# Altium PCB UmTRXv21.PcbDoc (part 9 of 19)
Units mm, origin at the board's own origin, x right, y up, seen from the top; angles counter-clockwise.
Board outline 159.5 x 99.5 mm, 6 copper layers (Top Layer, GND, MidLayer1, Mid-Layer 2, InternalPlane2, Bottom Layer), stack 1.526 mm thick; 716 components, 578 nets, 2850 pads, 1402 vias.
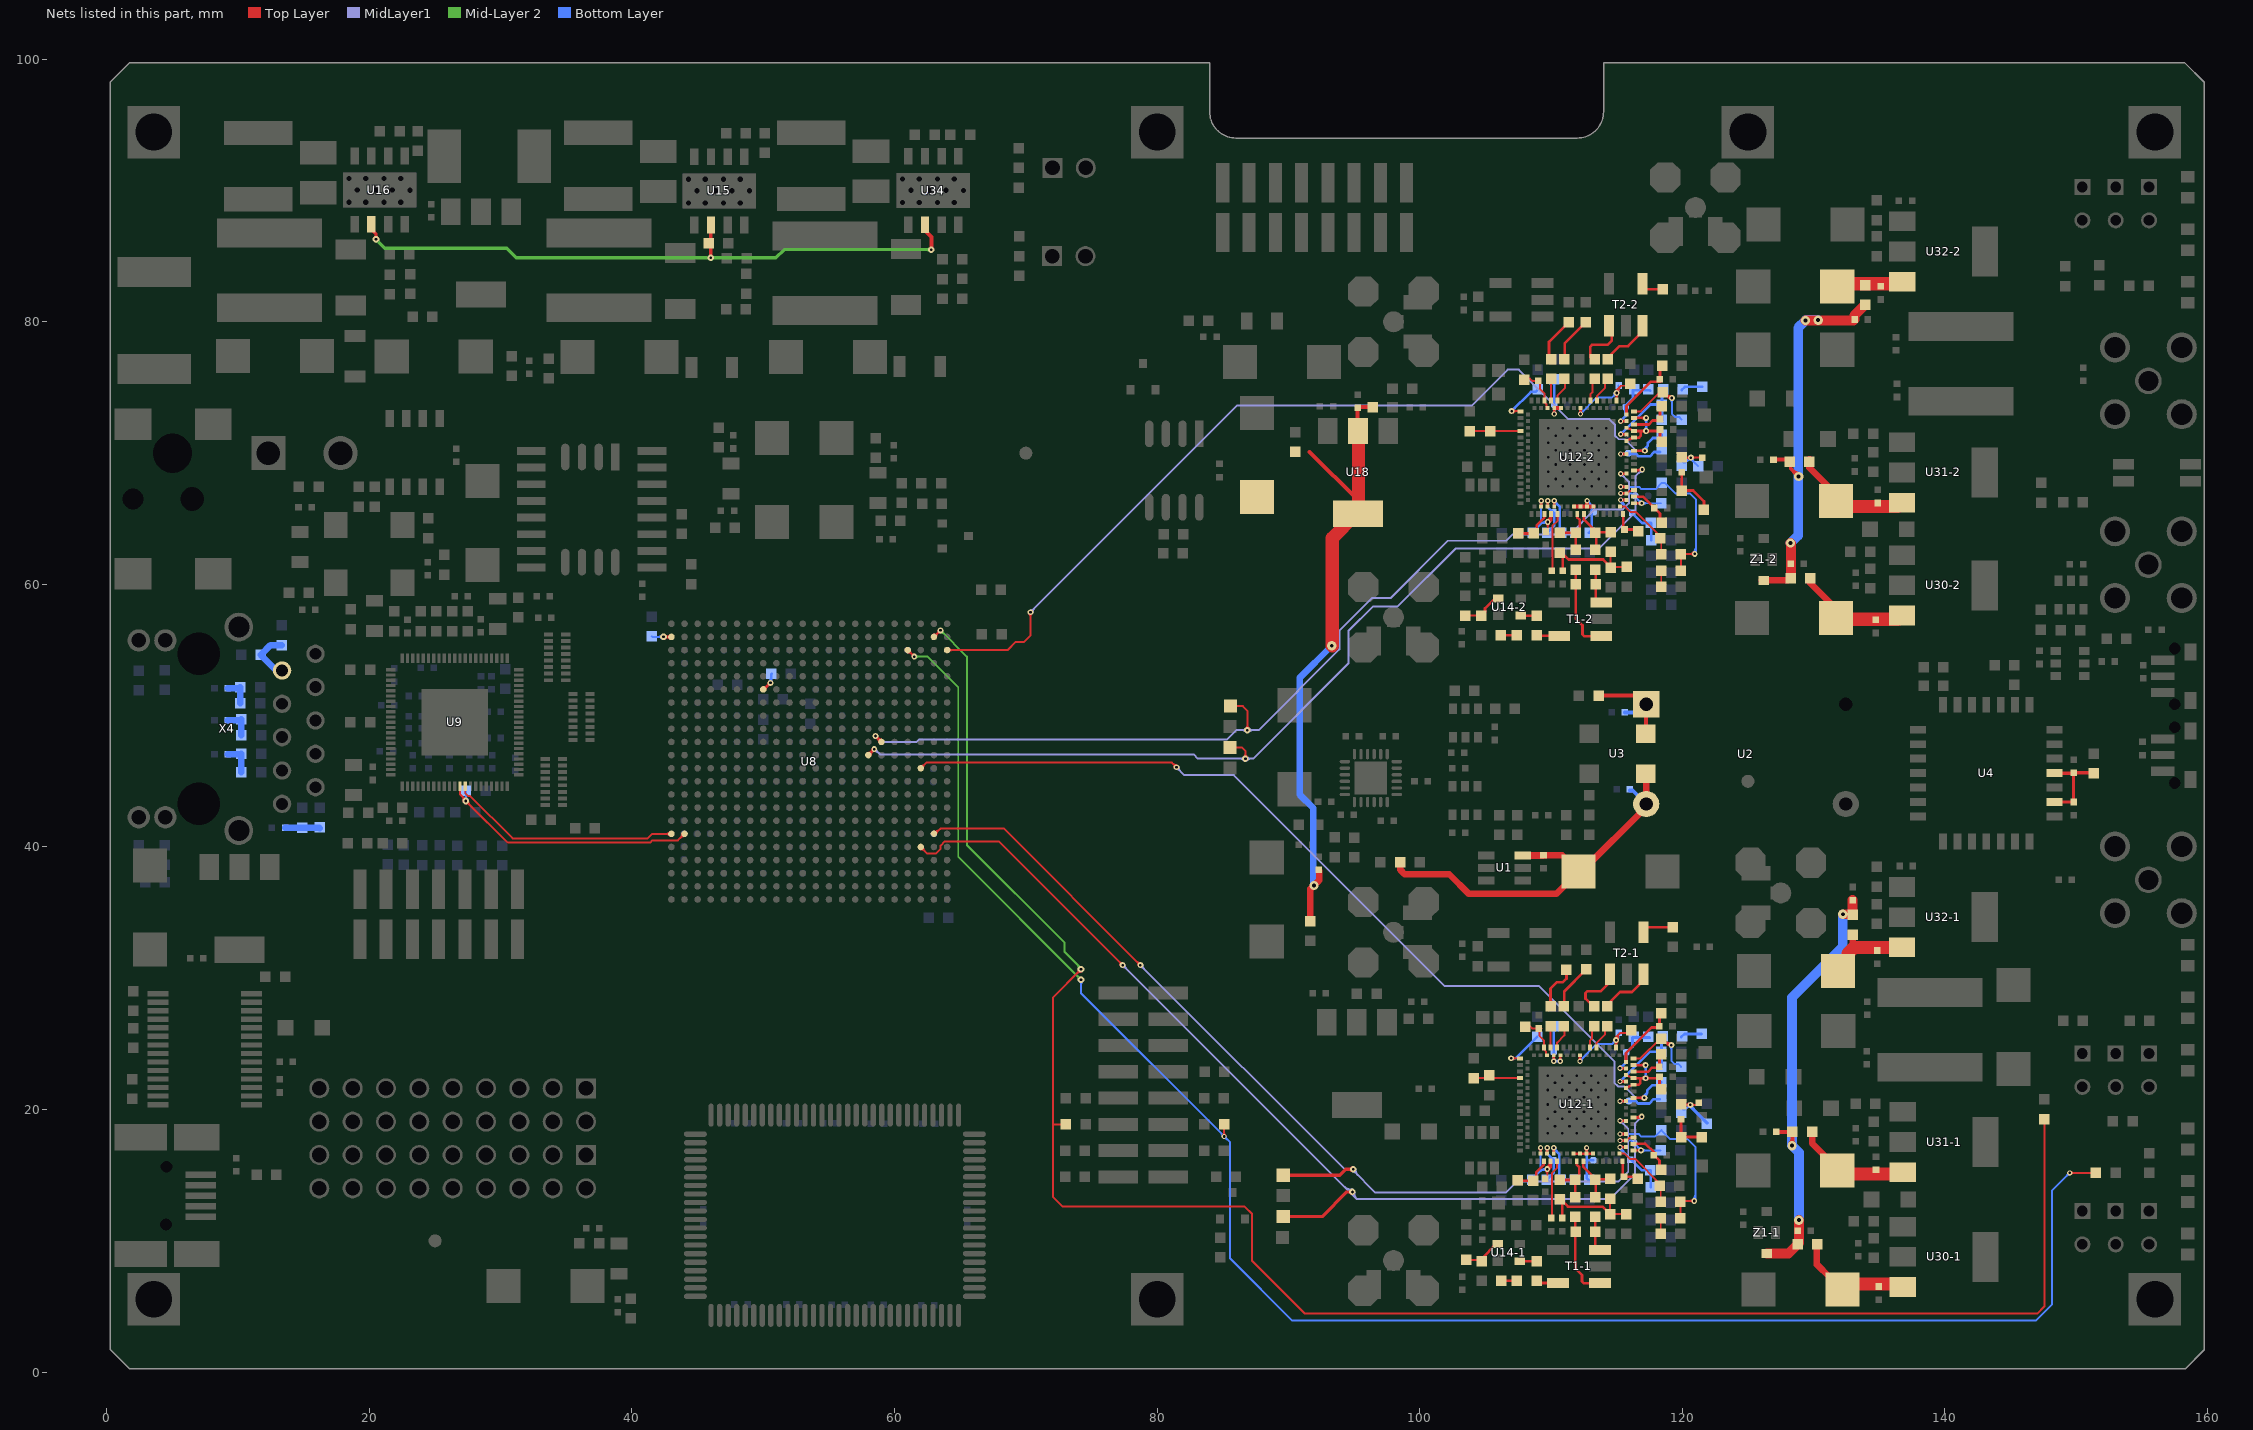
[diagram p13: the nets of this part, all layers, seen from the top]

## Via types
v1: diameter 0.45, hole 0.2, Top Layer to Bottom Layer, tented both sides, 440 vias
v2: diameter 0.5, hole 0.2, Top Layer to Bottom Layer, tented both sides, 423 vias
v3: diameter 0.7, hole 0.3, Top Layer to Bottom Layer, tented both sides, 257 vias
v4: diameter 0.4, hole 0.2, Top Layer to Bottom Layer, tented both sides, 197 vias
v5: diameter 0.8, hole 0.3, Top Layer to Bottom Layer, tented both sides, 63 vias
v6: diameter 0.6, hole 0.25, Top Layer to Bottom Layer, tented both sides, 16 vias
v7: diameter 0.6, hole 0.3, Top Layer to Bottom Layer, tented both sides, 4 vias
v8: diameter 1, hole 0.5, Top Layer to Bottom Layer, tented both sides, 2 vias

## Nets (pads, with @x,y where several pads share a name; then routed paths per layer and width w, separated by ;. In a path a pad name is that pad's centre, name@x,y a point inside that pad or via, vN(x,y) a via of type N, cw(c..) or ccw(c..) an arc to the next point about the centre after c; other vN are vias at no path point) (continued)
LEDS4: R37.2 R85.2 U8.Y4 | length 141.2
  Top Layer w0.15: U8.Y4@61,54.825 cw(c61,54.403) 61.299,54.701 cw(c61.597,55) U8.Y4@61.175,55 ; U8.Y4@61,55 v1(61.5,54.5) ; v1@61.35,54.5 ccw(c60.988,54.5) 61.244,54.756 ccw(c61.5,55.012) v1@61.5,54.65 ; v4@85.012,18.038 ccw(c84.798,18.252) 85.1,18.252 ccw(c85.402,18.252) v4@85.188,18.038 ; v4(85.1,17.95) R85.2@85.1,18.875 ; v4(149.5,15.175) R37.2@151.5,15.175 ; v4@149.588,15.087 cw(c149.802,14.873) 149.802,15.175 cw(c149.802,15.477) v4@149.588,15.263
  Mid-Layer 2 w0.15: v1(61.5,54.5) 62.525,54.5 64.85,52.175 64.85,39.25 v2(74.2,29.9) ; v1@61.606,54.394 cw(c61.862,54.138) 61.862,54.5 cw(c61.862,54.862) v1@61.606,54.606 ; v2@74.025,29.9 ccw(c73.603,29.9) 73.901,30.199 ccw(c74.2,30.497) v2@74.2,30.075
  Bottom Layer w0.15: v2@74.076,29.776 cw(c73.778,29.478) 74.2,29.478 cw(c74.622,29.478) v2@74.324,29.776 ; v2(74.2,29.9) 74.2,28.85 v4(85.1,17.95) 85.55,17.5 85.55,8.655 90.28,3.925 146.93,3.925 148.15,5.145 148.15,13.825 v4(149.5,15.175) ; v4@84.975,17.95 ccw(c84.673,17.95) 84.887,18.163 ccw(c85.1,18.377) v4@85.1,18.075 ; v4@85.1,17.825 cw(c85.1,17.523) 85.313,17.737 cw(c85.527,17.95) v4@85.225,17.95 ; v4@149.375,15.175 cw(c149.073,15.175) 149.287,14.962 cw(c149.5,14.748) v4@149.5,15.05
LEDS5: R38.2 R86.2 U8.AA2 | length 149.1
  Top Layer w0.15: U8.AA2@63,56 63.4,56.4 63.4,56.45 63.45,56.5 v1(63.5,56.5) ; U8.AA2@63,56.175 ccw(c63,56.597) 63.299,56.299 ccw(c63.597,56) U8.AA2@63.175,56 ; v1@63.35,56.5 cw(c62.988,56.5) 63.244,56.244 cw(c63.5,55.988) v1@63.5,56.35 ; R86.2@73.05,18.875 72.05,18.875 ; v2@74.025,30.675 cw(c73.603,30.675) 73.901,30.376 cw(c74.2,30.078) v2@74.2,30.5 ; v2(74.2,30.675) 72.05,28.525 72.05,18.875 ; R38.2@147.575,19.275 147.575,5 147.039,4.464 91.261,4.464 87.225,8.5 87.225,12.047 86.672,12.6 72.825,12.6 72.05,13.375 72.05,18.875
  Mid-Layer 2 w0.15: v1@63.5,56.35 cw(c63.5,55.988) 63.756,56.244 cw(c64.012,56.5) v1@63.65,56.5 ; v1(63.5,56.5) 65.5,54.5 65.5,40.15 72.95,32.7 72.95,32 74.2,30.75 v2(74.2,30.675) ; 73.848,31.102 cw(c73.421,30.675) v2@74.025,30.675 ; 74.029,30.921 ccw(c74.2,31.091) v2@74.2,30.85
LMS1_NRST: R95-1.1 U8.L3 U12-1.75 | length 72.9
  Top Layer w0.15: U8.L3@62,46 62.425,46.425 81.125,46.425 v1(81.475,46.075) ; U8.L3@62,46.175 ccw(c62,46.597) 62.299,46.299 ccw(c62.597,46) U8.L3@62.175,46 ; v1@81.325,46.075 ccw(c80.963,46.075) 81.219,46.331 ccw(c81.475,46.587) v1@81.475,46.225
  Top Layer w0.2: U12-1.75@116.282,20.888 v1(117.107,20.888) ; v1@117.019,20.8 ccw(c116.805,20.586) 116.805,20.888 ccw(c116.805,21.19) v1@117.019,20.976
  MidLayer1 w0.15: v1@81.475,45.925 cw(c81.475,45.563) 81.731,45.819 cw(c81.987,46.075) v1@81.625,46.075 ; v1(81.475,46.075) 82.075,45.475 85.845,45.475 101.92,29.4 109.1,29.4 114.832,23.668 114.832,22.033 115.102,21.763 115.582,21.763 116.457,20.888 v1(117.107,20.888) ; v1@117.001,20.782 ccw(c116.745,20.526) 116.745,20.888 ccw(c116.745,21.25) v1@117.001,20.994
  Bottom Layer w0.2: v1(117.107,20.888) 117.107,21.053 117.336,21.282 ; v1@117.229,20.915 cw(c117.617,21.001) 117.336,21.282 ; R95-1.1@118.407,22.088 118.177,21.858 117.711,21.858 117.336,21.483 117.336,21.282
LMS2_NRST: R95-2.1 U8.Y1 U12-2.75 | length 72.2
  Top Layer w0.15: U8.Y1@64,55 68.6,55 69.225,55.625 69.875,55.625 70.35,56.1 v1(70.35,57.875) ; U8.Y1@64.124,54.876 cw(c64.422,54.578) 64.422,55 cw(c64.422,55.422) U8.Y1@64.124,55.124 ; v1@70.244,57.769 cw(c69.988,57.513) 70.35,57.513 cw(c70.712,57.513) v1@70.456,57.769
  Top Layer w0.2: U12-2.75@116.321,70.18 v1(117.146,70.18) ; v1@117.058,70.091 ccw(c116.844,69.878) 116.844,70.18 ccw(c116.844,70.482) v1@117.058,70.268
  MidLayer1 w0.15: v1(70.35,57.875) 86.117,73.642 103.987,73.642 106.695,76.35 107.55,76.35 111.313,72.587 114.443,72.587 114.871,72.159 114.871,71.325 115.141,71.055 115.621,71.055 116.496,70.18 v1(117.146,70.18) ; v1@70.35,58.025 ccw(c70.35,58.387) 70.606,58.131 ccw(c70.862,57.875) v1@70.5,57.875 ; v1@117.04,70.074 ccw(c116.784,69.818) 116.784,70.18 ccw(c116.784,70.542) v1@117.04,70.286
  Bottom Layer w0.2: v1(117.146,70.18) 117.146,70.345 117.375,70.574 ; v1@117.268,70.207 cw(c117.656,70.293) 117.375,70.574 ; R95-2.1@118.446,71.38 118.216,71.15 117.75,71.15 117.375,70.775 117.375,70.574
M0: R31.1 U8.AA22 | length 4.3
  Top Layer w0.15: v2(42.4,56) U8.AA22@43,56 ; v2@42.524,55.876 cw(c42.822,55.578) 42.822,56 cw(c42.822,56.422) v2@42.524,56.124 ; U8.AA22@42.848,55.913 ccw(c42.62,55.782) 42.688,56.036 ccw(c42.728,56.185) U8.AA22@42.855,56.098 ; U8.AA22@42.848,56.087 cw(c42.62,56.218) 42.688,55.964 cw(c42.728,55.815) U8.AA22@42.855,55.902 ; U8.AA22@42.876,55.876 ccw(c42.578,55.578) 42.578,56 ccw(c42.578,56.422) U8.AA22@42.876,56.124
  Bottom Layer w0.15: R31.1@41.5,56.05 41.55,56 v2(42.4,56) ; v2@42.276,55.876 ccw(c41.978,55.578) 41.978,56 ccw(c41.978,56.422) v2@42.276,56.124
M1: R32.1 U8.U15 | length 2.9
  Top Layer w0.2: U8.U15@50,52 50.05,52 v1(50.55,52.5) ; U8.U15@50,52.15 ccw(c50,52.633) 50.341,52.291 ; U8.U15@50.15,52 cw(c50.391,52) 50.221,52.171 ; v1@50.425,52.5 cw(c50.123,52.5) 50.337,52.287 cw(c50.55,52.073) v1@50.55,52.375
  Bottom Layer w0.2: v1@50.462,52.588 ccw(c50.128,52.922) R32.1@50.6,52.922 ; v1(50.55,52.5) 50.6,52.5 50.6,53.15 R32.1@50.65,53.2
MDC: U8.F22 U9.55 | length 18.5
  Top Layer w0.15: U9.55@27.3,44.625 27.3,44.1 27.5,43.9 27.65,43.9 30.9,40.65 41.2,40.65 41.55,41 U8.F22@43,41 ; U8.F22@42.876,40.876 ccw(c42.578,40.578) 42.578,41 ccw(c42.578,41.422) U8.F22@42.876,41.124
MDIO: R92.2 U8.F21 U9.54 | length 23.1
  Top Layer w0.15: U9.54@26.9,44.625 26.9,44 27.55,43.35 v2@27.5,43.35 ; 27.016,43.884 cw(c26.632,43.5) v2@27.175,43.5 ; 27.137,43.763 ccw(c27.35,43.977) v2@27.35,43.675 ; v2@27.35,43.325 cw(c27.35,42.903) 27.649,43.201 cw(c27.947,43.5) v2@27.525,43.5 ; v2@27.45,43.4 v2@27.5,43.35 ; U8.F21@43.825,41 cw(c43.403,41) 43.701,40.701 cw(c44,40.403) U8.F21@44,40.825 ; U8.F21@44,41 43.5,40.5 41.55,40.5 41.375,40.325 30.525,40.325 v2@27.5,43.35
  Bottom Layer w0.15: v2@27.226,43.624 ccw(c26.928,43.922) 27.35,43.922 ccw(c27.772,43.922) v2@27.474,43.624 ; v2(27.35,43.5) R92.2@27.35,44.287
MISO1: TST12.1 U8.F2 U12-1.68 | length 79.7
  Top Layer w0.15: U8.F2@63,41 63.1,41 63.525,41.425 68.3,41.425 v1(78.725,31) ; U8.F2@63,41.175 ccw(c63,41.839) 63.469,41.369 ; U8.F2@63.175,41 cw(c63.356,41) 63.228,41.128 ; v1@78.575,31 ccw(c78.213,31) 78.469,31.256 ccw(c78.725,31.512) v1@78.725,31.15
  Top Layer w0.2: v4@115.282,19.138 U12-1.68@115.707,19.138 ; v4@115.328,19.067 cw(c115.498,18.897) 115.498,19.138 cw(c115.498,19.379) v4@115.328,19.209
  Top Layer w0.25: TST12.1@89.6,15 93.925,15 94.375,15.45 v2(94.925,15.45) ; v2@94.837,15.362 ccw(c94.623,15.148) 94.623,15.45 ccw(c94.623,15.752) v2@94.837,15.538
  MidLayer1 w0.15: v1@78.725,30.85 cw(c78.725,30.488) 78.981,30.744 cw(c79.237,31) v1@78.875,31 ; v1(78.725,31) 94.316,15.409 94.884,15.409 96.625,13.675 106.55,13.675 107.383,14.508 115.112,14.508 115.882,15.278 115.882,18.543 115.287,19.138 v4(115.257,19.138) ; 94.403,15.409 ccw(c94.403,15.972) v2@94.801,15.574 ; 94.602,15.409 cw(c94.602,15.127) v2@94.801,15.326 ; v2@94.925,15.275 cw(c94.926,15.052) 95.083,15.21 ; v2@95.1,15.45 ccw(c95.722,15.452) 95.283,15.011 ; v4@115.257,19.013 cw(c115.257,18.638) 115.522,18.903 ; v4@115.382,19.138 ccw(c115.611,19.138) 115.449,18.976
MISO2: TST16.1 U8.N6 U12-2.68 | length 78.8
  Top Layer w0.15: v1@58.55,48.3 cw(c58.55,47.938) 58.806,48.194 cw(c59.062,48.45) v1@58.7,48.45 ; v1(58.55,48.45) U8.N6@59,48 ; v1@58.608,48.308 cw(c58.387,47.925) U8.N6@58.826,47.979 ; v1@58.692,48.392 ccw(c59.075,48.613) U8.N6@59.021,48.174 ; 58.771,48.214 cw(c58.701,48.095) U8.N6@58.833,48.053 ; 58.786,48.229 ccw(c58.905,48.299) U8.N6@58.947,48.167 ; U8.N6@58.825,48 ccw(c58.403,48) 58.701,48.299 ccw(c59,48.597) U8.N6@59,48.175 ; TST16.1@85.6,50.725 86.525,50.725 86.875,50.375 v2(86.875,48.9) ; v2@86.751,49.024 ccw(c86.453,49.322) 86.875,49.322 ccw(c87.297,49.322) v2@86.999,49.024 ; 58.813,48.182 cw(c58.657,48.092) 58.831,48.045 ccw(c58.657,48.092) 58.813,48.182 ; 58.818,48.187 ccw(c58.908,48.343) 58.955,48.169 cw(c58.908,48.343) 58.818,48.187
  Top Layer w0.2: v4@115.321,68.43 U12-2.68@115.746,68.43 ; v4@115.367,68.359 cw(c115.537,68.188) 115.537,68.43 cw(c115.537,68.671) v4@115.367,68.501
  MidLayer1 w0.15: v1@58.55,48.3 cw(c58.55,47.938) 58.806,48.194 cw(c59.062,48.45) v1@58.7,48.45 ; v1(58.55,48.45) 59,48 61.686,48 61.886,48.2 85.325,48.2 86.025,48.9 v2(86.875,48.9) 87.721,48.9 93.875,55.054 93.875,56.475 96.35,58.95 97.771,58.95 102.146,63.325 106.575,63.325 107.048,63.798 107.279,63.798 107.281,63.8 107.819,63.8 107.821,63.798 111.423,63.798 113.342,65.717 115.467,65.717 115.921,66.171 115.921,67.835 115.326,68.43 v4(115.296,68.43) ; v2@86.751,48.776 ccw(c86.453,48.478) 86.453,48.9 ccw(c86.453,49.322) v2@86.751,49.024 ; v2@86.999,48.776 cw(c87.297,48.478) 87.297,48.9 cw(c87.297,49.322) v2@86.999,49.024 ; v4@115.296,68.305 cw(c115.296,67.93) 115.561,68.195 ; v4@115.421,68.43 ccw(c115.65,68.43) 115.488,68.268
MOSI1: TST11.1 U8.E3 U12-1.69 | length 84.1
  Top Layer w0.15: U8.E3@62,39.825 cw(c62,39.403) 62.299,39.701 cw(c62.597,40) U8.E3@62.175,40 ; U8.E3@62,40 62.5,39.5 63.15,39.5 63.5,39.85 63.5,40.101 63.824,40.425 67.95,40.425 v1(77.375,31) ; v1@77.225,31 ccw(c76.863,31) 77.119,31.256 ccw(c77.375,31.512) v1@77.375,31.15
  Top Layer w0.2: U12-1.69@116.282,19.388 116.931,19.388 116.961,19.358 116.961,19.408 v1(116.911,19.458) ; U12-1.69@116.44,19.388 ccw(c116.44,19.929) v1@116.823,19.547
  Top Layer w0.25: TST11.1@89.6,11.85 92.575,11.85 94.45,13.725 v2(94.875,13.725) ; v2@94.787,13.637 ccw(c94.573,13.423) 94.573,13.725 ccw(c94.573,14.027) v2@94.787,13.813
  MidLayer1 w0.15: v1@77.375,30.85 cw(c77.375,30.488) 77.631,30.744 cw(c77.887,31) v1@77.525,31 ; v1(77.375,31) 95.2,13.175 ; 94.192,14.183 ccw(c94.875,14.866) v2@94.875,13.9 ; 94.448,13.927 ccw(c94.875,14.354) v2@94.875,13.75 ; v2@94.899,13.72 ccw(c95.274,13.642) 95.004,13.371 ; v2@95.046,13.689 ccw(c95.599,13.574) 95.2,13.175 ; v1@116.761,19.458 cw(c116.399,19.458) 116.655,19.202 cw(c116.911,18.946) v1@116.911,19.308 ; v1(116.911,19.458) 116.384,18.932 116.384,15.074 114.486,13.175 95.2,13.175
MOSI2: TST15.1 U8.M7 U12-2.69 | length 80.8
  Top Layer w0.15: U8.M7@57.979,47.174 ccw(c57.925,47.613) v1@58.308,47.392 ; U8.M7@58,47 v1(58.45,47.45) ; U8.M7@58,47.175 ccw(c58,47.597) 58.299,47.299 ccw(c58.597,47) U8.M7@58.175,47 ; U8.M7@58.053,47.167 ccw(c58.095,47.299) 58.214,47.229 ; U8.M7@58.167,47.053 cw(c58.299,47.095) 58.229,47.214 ; U8.M7@58.174,46.979 cw(c58.613,46.925) v1@58.392,47.308 ; v1@58.3,47.45 cw(c57.938,47.45) 58.194,47.194 cw(c58.45,46.938) v1@58.45,47.3 ; TST15.1@85.55,47.575 86.475,47.575 86.725,47.325 v2(86.725,46.725) ; v2@86.601,46.849 ccw(c86.303,47.147) 86.725,47.147 ccw(c87.147,47.147) v2@86.849,46.849 ; U8.M7@58.045,47.169 ccw(c58.092,47.343) 58.182,47.187 cw(c58.092,47.343) U8.M7@58.045,47.169 ; U8.M7@58.169,47.045 cw(c58.343,47.092) 58.187,47.182 ccw(c58.343,47.092) U8.M7@58.169,47.045
  Top Layer w0.2: U12-2.69@116.321,68.68 116.97,68.68 117,68.65 117,68.7 v1(116.95,68.75) ; U12-2.69@116.479,68.68 ccw(c116.479,69.221) v1@116.862,68.838
  MidLayer1 w0.15: v1@58.45,47.3 cw(c58.45,46.806) 58.799,47.155 ; v1(58.45,47.45) 58.505,47.45 58.905,47.05 82.775,47.05 83.1,46.725 v2(86.725,46.725) 87.304,46.725 94.575,53.996 94.575,56.454 96.446,58.325 98.325,58.325 102.725,62.725 113.638,62.725 116.423,65.51 116.423,68.223 v1(116.95,68.75) ; v1@58.6,47.45 ccw(c58.83,47.45) 58.667,47.287 ; v2@86.601,46.601 ccw(c86.303,46.303) 86.303,46.725 ccw(c86.303,47.147) v2@86.601,46.849 ; v2@86.849,46.601 cw(c87.147,46.303) 87.147,46.725 cw(c87.147,47.147) v2@86.849,46.849 ; v1@116.8,68.75 cw(c116.438,68.75) 116.694,68.494 cw(c116.95,68.238) v1@116.95,68.6
NetC4_1: C4.1 C139.1 C146.1 L1.1 R134.1 R158.2 U18.2 | length 51.4
  Top Layer w0.3: 91.6,70.1 95.325,66.375 96.375,65.325 U18.2@96.425,65.325 ; U18.2@95.275,72.2 C139.1@95.275,73.45 ; U18.2@95.3,71.675 U18.2@95.325,71.7 ; C139.1@95.325,73.5 R134.1@96.45,73.5
  Top Layer w0.5: L1.1@91.675,34.45 91.675,36.797 v3(91.954,37.077) 92.33,37.452 C4.1@92.33,38.175 ; v3(93.3,55.325) v3@93.331,55.356
  Top Layer w1: v3@93.331,55.325 93.331,55.356 93.331,63.528 95.129,65.325 U18.2@95.325,65.325 ; U18.2@95.325,65.227 U18.2@95.325,65.325 ; U18.2@95.325,71.7 95.325,66.375 U18.2@95.325,65.325 ; U18.2@96.375,65.325 U18.2@95.325,65.325
  Bottom Layer w0.5: v3(91.954,37.077) 91.9,37.131 91.9,42.95 90.85,44 90.85,52.875 v3(93.3,55.325)
NetC5_2: C5.2 R4.2 U2.1 U3.1 | length 8
  Top Layer w0.3: R4.2@113.625,51.525 116.6,51.525 U2.1@117.25,50.875 117.218,50.843 U3.1@117.218,48.623
  Bottom Layer w0.3: C5.2@115.625,50.25 116.625,50.25 U2.1@117.25,50.875
NetC8_1: C8.1 C9.1 C275.2 R2.2 R3.2 U1.3 U2.14 U3.4 | length 31.8
  Top Layer w0.5: R2.2@98.525,38.85 98.525,38.25 98.85,37.925 102.25,37.925 103.75,36.425 110.4,36.425 C9.1@112.1,38.125 ; U1.3@107.835,39.351 109.401,39.351 C275.2@109.425,39.375 110.85,39.375 C9.1@112.1,38.125 ; U3.4@117.218,45.575 117.25,45.543 U2.14@117.25,43.275 117.25,43.048 112.327,38.125 C9.1@112.1,38.125
  Bottom Layer w0.3: C8.1@116,44.3 116.225,44.3 U2.14@117.25,43.275
NetC10_1: C10.1 C11.1 L2.1 U4.2 U4.4 | length 6.7
  Top Layer w0.25: U4.2@148.35,43.425 C10.1@149.8,43.425 C11.1@149.8,45.65 ; U4.4@148.35,45.625 149.775,45.625 C11.1@149.8,45.65 ; L2.1@151.35,45.6 151.3,45.65 C11.1@149.8,45.65
NetC23_1: C23.1 U15.2 U16.2 U34.2 | length 51
  Top Layer w0.25: U16.2@20.15,87.425 20.15,87.05 20.5,86.7 v2(20.5,86.275) ; v2@20.412,86.363 ccw(c20.198,86.577) 20.5,86.577 ccw(c20.802,86.577) v2@20.588,86.363
  Top Layer w0.3: v2(46,84.875) U15.2@46,87.103 ; U34.2@62.263,87.242 62.263,86.987 62.8,86.45 v2(62.8,85.5)
  Mid-Layer 2 w0.25: v2@20.5,86.15 cw(c20.5,85.848) 20.713,86.062 cw(c20.927,86.275) v2@20.625,86.275 ; v2(20.5,86.275) 21.175,85.6 30.463,85.6 31.188,84.875 v2(46,84.875) 50.963,84.875 51.588,85.5 v2(62.8,85.5) ; v2@45.912,84.787 ccw(c45.698,84.573) 45.698,84.875 ccw(c45.698,85.177) v2@45.912,84.963 ; v2@46.088,84.787 cw(c46.302,84.573) 46.302,84.875 cw(c46.302,85.177) v2@46.088,84.963 ; v2@62.712,85.412 ccw(c62.498,85.198) 62.498,85.5 ccw(c62.498,85.802) v2@62.712,85.588
NetC32_2: C32.2 L4.2 X4.2 | length 4
  Bottom Layer w0.5: L4.2@13.325,55.375 12.475,55.375 C32.2@11.725,54.625 12.905,53.445 X4.2@13.35,53.445
NetC33_1: C33.1 R45.1 R47.1 | length 2.7
  Bottom Layer w0.5: C33.1@13.575,41.475 R47.1@14.875,41.475 16.175,41.475 R45.1@16.225,41.425
NetC34_1: C34.1 R48.1 R49.1 | length 2.5
  Bottom Layer w0.5: C34.1@9.2,47.05 10.2,47.05 R48.1@10.25,47.1 R49.1@10.25,45.7
NetC35_1: C35.1 R50.1 R51.1 | length 2.3
  Bottom Layer w0.5: C35.1@9.2,49.65 10.175,49.65 R50.1@10.25,49.725 R51.1@10.25,48.5
NetC36_1: C36.1 R58.1 R59.1 | length 2.2
  Bottom Layer w0.5: C36.1@9.2,52.1 10.1,52.1 R58.1@10.175,52.175 R59.1@10.175,50.95
NetC45-1_2: C45-1.2 C146-1.1 R177-1.2 | length 2.9
  Top Layer w0.2: C146-1.1@119.9,19.25 119.9,17.919 C45-1.2@119.911,17.908 R177-1.2@121.461,17.908
NetC45-2_2: C45-2.2 C146-2.1 R177-2.2 | length 4.1
  Top Layer w0.2: C146-2.1@119.95,68.55 C45-2.2@119.95,67.15 120.825,67.15 121.65,66.325 R177-2.2@121.65,65.675
NetC48-1_1: C48-1.1 C49-1.1 C50-1.1 L8-1.1 L9-1.1 L10-1.1 Z1-1.3 | length 35.7
  Top Layer w0.3: Z1-1.3@126.39,9.081 Z1-1.3@126.44,9.031 ; C49-1.1@127.144,18.295 128.363,18.295 L9-1.1@128.384,18.316 v3@128.384,17.284 ; v3@128.209,17.391 ccw(c127.784,17.816) 128.384,17.816 ; 128.384,17.65 ccw(c128.75,17.65) v3@128.491,17.391 ; L8-1.1@128.7,9.641 L8-1.1@128.79,9.731 C48-1.1@128.79,10.781
  Top Layer w0.5: L9-1.1@128.34,18.361 L9-1.1@128.384,18.316
  Top Layer w0.75: Z1-1.3@126.44,9.031 128.09,9.031 L8-1.1@128.7,9.641 ; L8-1.1@128.79,9.731 128.875,9.816 v3(128.875,11.575) ; v3(132.225,34.875) L10-1.1@132.975,34.875 ; L10-1.1@132.975,34.825 L10-1.1@132.975,34.875 ; C50-1.1@132.975,35.95 L10-1.1@132.975,34.875
  Bottom Layer w0.75: v3(128.875,11.575) 128.875,16.725 v3(128.35,17.25) 128.35,28.525 132.225,32.4 v3(132.225,34.875)
NetC48-2_1: C48-2.1 C49-2.1 C50-2.1 L8-2.1 L9-2.1 L10-2.1 Z1-2.3 | length 32.9
  Top Layer w0.3: Z1-2.3@125.99,60.376 Z1-2.3@126.04,60.326 ; C49-2.1@126.988,69.516 127.984,69.516 128.256,69.244 128.256,68.831 v3(128.863,68.225) ; L8-2.1@128.24,60.476 C48-2.1@128.24,61.526 ; v3@128.663,68.225 ccw(c128.18,68.225) 128.521,68.566 ccw(c128.863,68.908) v3@128.863,68.425
  Top Layer w0.5: Z1-2.3@126.04,60.326 L8-2.1@128.04,60.326
  Top Layer w0.75: L8-2.1@128.24,60.476 128.273,60.509 128.273,63.127 v3(128.25,63.15) ; v3(129.375,80.1) 133.05,80.1 C50-2.1@133.125,80.175 133.125,80.5 L10-2.1@133.925,81.3
  Bottom Layer w0.75: v3(128.25,63.15) 128.825,63.725 128.825,79.55 v3(129.375,80.1) 129.4,80.125 v3(130.35,80.125)
NetC52-1_1: C52-1.1 C56-1.1 L8-1.2 U30-1.3 | length 8.1
  Top Layer w0.5: L8-1.2@130.25,9.631 130.25,8.2 131.222,7.228 C52-1.1@131.222,6.627
  Top Layer w1: C52-1.1@132.505,6.346 132.884,6.725 136.546,6.725 U30-1.3@136.79,6.481 ; U30-1.3@136.655,6.346 U30-1.3@136.79,6.346
NetC52-2_1: C52-2.1 C56-2.1 L8-2.2 U30-2.3 | length 9.2
  Top Layer w0.3: C56-2.1@134.552,57.404 C56-2.1@134.615,57.341
  Top Layer w0.5: L8-2.2@129.69,60.476 129.69,60.16 131.946,57.904 C52-2.1@131.946,56.648
  Top Layer w1: C52-2.1@132.255,57.341 134.615,57.341 136.405,57.341 U30-2.3@136.54,57.476
NetC53-1_1: C53-1.1 C57-1.1 L9-1.2 U31-1.3 | length 8.1
  Top Layer w0.3: 134.729,15.024 134.794,15.089
  Top Layer w0.5: L9-1.2@129.884,18.316 129.884,17.433 C53-1.1@131.578,15.739 ; C53-1.1@131.628,15.089 C53-1.1@132.34,14.377
  Top Layer w1: C53-1.1@133.083,15.089 134.794,15.089 136.652,15.089 U31-1.3@136.79,15.227
NetC53-2_1: C53-2.1 C57-2.1 L9-2.2 U31-2.3 | length 7.6
  Top Layer w0.3: 134.479,65.874 134.544,65.939
  Top Layer w0.5: L9-2.2@129.684,69.516 129.684,68.891 131.378,67.197 C53-2.1@131.378,66.489
  Top Layer w1: C53-2.1@132.833,65.939 134.544,65.939 136.402,65.939 U31-2.3@136.54,66.076
NetC54-1_1: C54-1.1 C58-1.1 L10-1.2 U32-1.3 | length 5.6
  Top Layer w0.5: 132.975,32.375 L10-1.2@132.975,33.325
  Top Layer w1: C54-1.1@132.613,31.562 132.613,31.863 133.106,32.356 U32-1.3@136.74,32.356
NetC54-2_1: C54-2.1 C58-2.1 L10-2.2 U32-2.3 | length 5
  Top Layer w0.5: C54-2.1@132.3,82.55 C54-2.1@132.3,82.7
  Top Layer w1: C54-2.1@132.1,82.55 132.1,82.9 U32-2.3@136.55,82.9
NetC59-1_2: C59-1.2 L19-1.1 U12-1.61 | length 3.2
  Top Layer w0.2: U12-1.61@116.282,17.388 117.187,17.388 117.825,16.75 117.825,16.544 118.257,16.112 118.257,15.738 L19-1.1@118.407,15.588
NetC59-2_2: C59-2.2 L19-2.1 U12-2.61 | length 3.1
  Top Layer w0.2: U12-2.61@116.321,66.68 117.02,66.68 118.296,65.404 118.296,65.03 L19-2.1@118.446,64.88
NetC60-1_2: C60-1.2 L18-1.1 R104-1.1 R105-1.1 | length 6
  Top Layer w0.15: R105-1.1@119.962,20.358 v1(120.611,20.358) C60-1.2@121.211,20.358 ; v1@120.505,20.252 ccw(c120.249,19.996) 120.249,20.358 ccw(c120.249,20.72) v1@120.505,20.464 ; v1@120.717,20.252 cw(c120.973,19.996) 120.973,20.358 cw(c120.973,20.72) v1@120.717,20.464 ; C60-1.2@121.211,20.558 C60-1.2@121.261,20.508
  Bottom Layer w0.15: R104-1.1@120.061,20.008 120.211,20.008 120.561,20.358 v1(120.611,20.358) v1@120.611,20.258 ; R104-1.1@120.27,20.067 cw(c120.611,19.725) v1@120.611,20.208 ; 120.39,20.188 ccw(c120.22,20.358) v1@120.461,20.358
  Bottom Layer w0.25: v1@120.611,20.258 L18-1.1@121.897,18.972 ; v1@120.711,20.358 ccw(c121.194,20.358) 120.852,20.017
NetC60-2_2: C60-2.2 L18-2.1 R104-2.1 R105-2.1 | length 5.3
  Top Layer w0.15: R105-2.1@120.001,69.65 v1(120.65,69.65) C60-2.2@121.525,69.65 ; v1@120.544,69.544 ccw(c120.288,69.288) 120.288,69.65 ccw(c120.288,70.012) v1@120.544,69.756 ; v1@120.756,69.544 cw(c121.012,69.288) 121.012,69.65 cw(c121.012,70.012) v1@120.756,69.756
  Bottom Layer w0.15: R104-2.1@120.1,69.3 120.25,69.3 120.6,69.65 v1(120.65,69.65) 120.65,69.55 L18-2.1@121.2,69 ; R104-2.1@120.309,69.359 cw(c120.65,69.017) v1@120.65,69.5 ; 120.429,69.479 ccw(c120.259,69.65) v1@120.5,69.65 ; v1@120.8,69.65 ccw(c121.404,69.65) L18-2.1@120.977,69.223
NetC61-1_2: C61-1.2 L16-1.1 U12-1.83 | length 3.2
  Top Layer w0.2: U12-1.83@116.282,22.888 117.407,22.888 117.707,23.188 118.257,23.188 118.257,24.038 L16-1.1@118.407,24.188
NetC61-2_2: C61-2.2 L16-2.1 U12-2.83 | length 3.2
  Top Layer w0.2: U12-2.83@116.321,72.18 117.446,72.18 117.746,72.48 118.296,72.48 118.296,73.33 L16-2.1@118.446,73.48